# KiCad board Entrex Trapezoid Processor Board v37.kicad_pcb (continued)
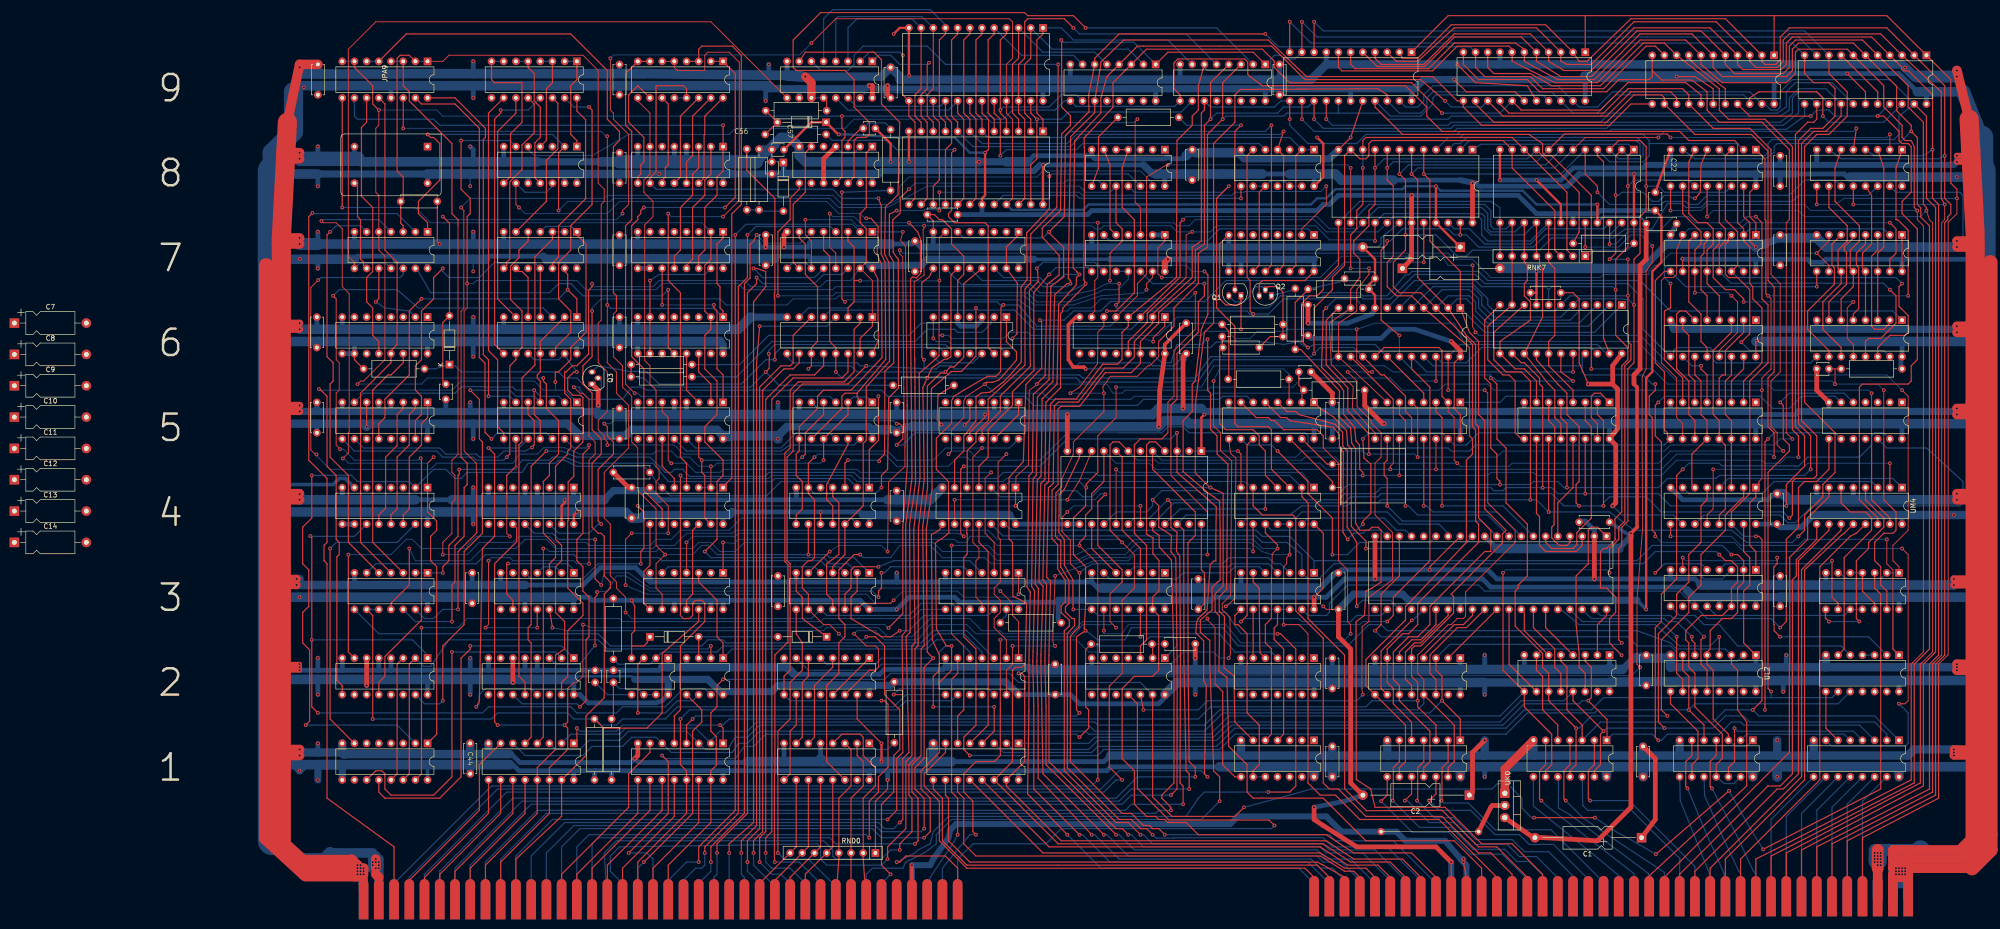
[diagram p0: board, top side]
## Nets (continued)
/UE5_8: UE5.8
/UF4_6: UF4.6
/UF4_23: UF4.23
/UF7_4: UF7.4
/UF9_13: UF9.13
/UF9_14: UF9.14
/UH7_3: UH7.3
/UH7_4: UH7.4
/UH7_5: UH7.5
/UH7_6: UH7.6
/UH7_7: UH7.7
/UH7_15: UH7.15
/UH9_13: UH9.13
/UH9_14: UH9.14
/UJ2_15: UJ2.15
/UK2_15: UK2.15
/UK3_16: UK3.16
/UK3_21: UK3.21
/UK3_24: UK3.24
/UL2_13: UL2.13
/UL2_14: UL2.14
/UL2_15: UL2.15
/UL3_10: UL3.10
/UL5_1: UL5.1
/UL5_15: UL5.15
/UL6_1: UL6.1
/XA8_1: XA8.1
D0: UJ5.10 UK3.10
D1: UJ5.6 UK3.9
D2: UJ5.13 UK3.8
D3: UJ5.3 UK3.7
D4: UK3.3 UK5.10
D5: UK3.4 UK5.6
D6: UK3.5 UK5.13
D7: UK3.6 UK5.3
E6_2: R23.2 UE6.2
E6_6: R22.2 UE6.6
E6_9: Q3.3 R21.1 UE6.9
E6_12: UE6.8 UE6.12
E6_13: R19.2 UE6.13
E6_14: R22.1 R23.1 R25.1 UE6.14
J4_1: UH5.14 YJ4.1
J4_2: UH5.15 YJ4.2
J17_5: J17.5 UA7.2
J17_6: J17.6 UC3.1 UF4.9 UJ5.11 UJ6.9 UK9.9 UL9.9
J17_7: J17.7 UB1.7
J17_8: J17.8 UC3.4 UF4.3 UJ5.5 UJ6.11 UK9.11 UL9.11
J17_9: J17.9 UB1.9
J17_10: J17.10 UA3.11 UF4.7 UJ5.14 UJ6.13 UK9.13 UL9.13
J17_11: J17.11 UB1.10
J17_12: J17.12 UF4.5 UJ5.2 UJ6.15 UK9.15 UL9.15
J17_13: J17.13 UB1.11
J17_14: J17.14 UF4.22 UJ9.9 UK5.11 UK6.9 UM9.9
J17_15: J17.15 UB1.12
J17_16: J17.16 UF4.16 UJ9.11 UK5.5 UK6.11 UM9.11
J17_17: J17.17 UB1.13 UD6.1 UD6.15 UD7.15 UD8.1
J17_18: J17.18 UF4.18 UJ9.13 UK5.14 UK6.13 UM9.13
J17_19: J17.19 UB1.14 UB4.11 UD7.1
J17_20: J17.20 UF4.20 UJ9.15 UK5.2 UK6.15 UM9.15
J17_21: J17.21 UB1.15 UF7.13
J17_22: J17.22 RNK7.4 UD7.13 UE2.12 UF6.7 UJ8.17 UK5.4 UK6.16 UK8.17
J17_23: J17.23
J17_24: J17.24 RNK7.5 UD7.9 UD7.11 UF6.13 UJ8.16 UK5.12 UK6.14 UK8.16
J17_25: J17.25
J17_26: J17.26 RNK7.6 UD2.5 UD6.5 UF6.3 UJ8.15 UK5.7 UK6.12 UK8.15
J17_27: J17.27 UC1.7
J17_28: J17.28 RNK7.7 UD2.7 UD6.7 UF6.5 UJ8.14 UK5.9 UK6.10 UK8.14
J17_29: J17.29 UC1.9
J17_30: J17.30 RNK7.8 UD2.9 UD6.9 UE7.9 UJ5.4 UJ6.16 UJ8.13 UK8.13
J17_31: J17.31 UC1.10
J17_32: J17.32 RNK7.3 UD6.11 UD7.7 UE7.13 UJ5.12 UJ6.14 UJ8.11 UK8.11
J17_33: J17.33 UC1.11
J17_34: J17.34 RNK7.2 UD6.13 UD7.5 UE7.11 UJ5.7 UJ6.12 UJ8.10 UK8.10
J17_35: J17.35 UC1.12
J17_36: J17.36 R13.1 UD6.3 UD7.3 UE7.7 UJ5.9 UJ6.10 UJ8.9 UK8.9
J17_37: J17.37 UC1.13 UE2.9
J17_38: J17.38 UC2B1.5
J17_39: J17.39 UC1.14
J17_40: J17.40 R17.1 UF2.1
J17_41: J17.41 UC1.15 UF2.13 UM3.3
J17_42: J17.42 UD7.2
J17_43: J17.43
J17_44: J17.44 UD7.4
J17_45: J17.45
J17_46: J17.46 UD7.6
J17_47: J17.47
J17_48: J17.48 UD7.14
J17_49: J17.49
J17_50: J17.50 UD7.12
J17_51: J17.51
J17_52: J17.52 UD6.4
J17_53: J17.53 RND0.8 UD1.10
J17_54: J17.54 UD6.6
J17_55: J17.55 RND0.7 UD1.11
J17_56: J17.56 UD6.10
J17_57: J17.57 RND0.6 UD1.12
J17_58: J17.58 UD6.12
J17_59: J17.59 RND0.5 UD1.13
J17_60: J17.60 UD6.14
J17_61: J17.61
J17_62: J17.62 UD6.2
J17_63: J17.63 RND0.4 UD1.3
J17_64: J17.64 UD3.8
J17_65: J17.65 RND0.3 UD1.2
J17_66: J17.66
J17_67: J17.67 RND0.2 UD1.4
J17_68: J17.68 UA7.1 UB8.2 UF8.10
J17_69: J17.69
J17_70: J17.70 UD3.9 UD4.6 UF8.9
J17_71: J17.71
J17_72: J17.72
J17_75: J17.75
J17_76: J17.76 UE2.6
J17_77: J17.77
J17_78: J17.78 R3.2 UH5.3
J17_79: J17.79 UF3.8 UF4.11
J17_80: J17.80 UF2.11
J18_1: J18.1 UE1.7
J18_2: J18.2 UE7.6 UF9.6 UK9.10 UL9.10
J18_3: J18.3 UE1.9
J18_4: J18.4 UE7.12 UF9.11 UK9.12 UL9.12
J18_5: J18.5 UE1.10
J18_6: J18.6 UE7.14 UF9.4 UK9.14 UL9.14
J18_7: J18.7 UE1.11
J18_8: J18.8 UE7.10 UF9.3 UK9.16 UL9.16
J18_9: J18.9 UE1.12
J18_10: J18.10 UF6.4 UH9.6 UJ9.10 UM9.10
J18_11: J18.11 UE1.13
J18_12: J18.12 UF6.2 UH9.11 UJ9.12 UM9.12
J18_13: J18.13 UE1.14 UJ8.20
J18_14: J18.14 UF6.14 UH9.4 UJ9.14 UM9.14
J18_15: J18.15 UE1.15 UK8.20
J18_16: J18.16 UF6.6 UH9.3 UJ9.16 UM9.16
J18_17: J18.17 UF3.13 UF4.4
J18_18: J18.18 UF4.19 UH3.3
J18_23: J18.23 UE4.3 UJ9.20 UK9.20 UL9.20 UM9.20
J18_24: J18.24
J18_25: J18.25 UB1.4 UH4.11 UH4.12 UJ6.18 UK6.18
J18_26: J18.26
J18_27: J18.27 UC1.5 UH4.6
J18_28: J18.28
J18_29: J18.29 UB1.5 UH4.2
J18_30: J18.30 UJ1.8
J18_31: C51.1 J18.31 R9.1 R10.2
J18_32: J18.32 UJ1.6
J18_33: J18.33
J18_34: J18.34 UJ1.10
J18_35: J18.35
J18_36: J18.36 UJ1.4
J18_37: J18.37
J18_38: J18.38 UJ1.12
J18_39: J18.39
J18_40: J18.40 UJ1.2
J18_41: J18.41
J18_42: J18.42 UK1.8
J18_43: J18.43
J18_44: J18.44 UK1.6
J18_45: J18.45 UC1.4 UE4.2 UJ6.20 UK6.20 UL2.3
J18_46: J18.46 UK1.10
J18_47: J18.47 UM4.7
J18_48: J18.48 UK1.4
J18_49: J18.49 UM4.9
J18_50: J18.50 UK1.12
J18_51: J18.51 UM4.10
J18_52: J18.52 UK1.2
J18_53: J18.53 UM4.11
J18_54: J18.54 UL1.8
J18_55: J18.55 UM4.12
J18_56: J18.56 UL1.6
J18_57: J18.57 UM4.13
J18_58: J18.58 UL1.10
J18_59: J18.59 UJ9.7 UK9.7 UL8.9 UL9.7 UM9.7
J18_60: J18.60 UL1.4
J18_61: J18.61 UJ9.6 UK9.6 UL8.7 UL9.6 UM9.6
J18_62: J18.62 UM1.9
J18_63: J18.63 UJ9.5 UK9.5 UL8.12 UL9.5 UM9.5
J18_64: J18.64 UM1.10
J18_65: J18.65 UJ9.21 UK9.21 UL8.4 UL9.21 UM9.21
J18_66: J18.66 UM1.11
J18_67: J18.67 UJ9.4 UK9.4 UL9.4 UM8.4 UM9.4
J18_68: J18.68 UM1.12
J18_69: J18.69 UJ9.3 UK9.3 UL9.3 UM8.12 UM9.3
J18_70: J18.70 UM1.13
J18_71: J18.71 UJ9.2 UK9.2 UL9.2 UM8.7 UM9.2
J18_72: J18.72 UM1.14
J18_73: J18.73 UJ9.1 UK9.1 UL9.1 UM8.9 UM9.1
J18_74: J18.74 UM1.15
JPA9_1: C64.1 JPA9.1 JPA9.2 UA7.3 UE3.11 UE5.14
JPA9_4: JPA9.3 JPA9.4 UD4.13
JPA9_5: JPA9.5 JPA9.6 UC3.9 UD3.1 UD4.9
JPA9_7: JPA9.7 JPA9.8 UA7.5 UB3.3 UD8.11 UF9.9 UH9.9 UL5.2 UL7.2 UM7.2
JPA9_9: JPA9.9 UC6.2 UC7.2 UD3.2 UE3.12
JPA9_10: JPA9.10 UC7.14 UC8.1
JPA9_11: JPA9.11 UA6.12
JPA9_12: JPA9.12 UA3.4 UA6.13
JPA9_14: JPA9.14 UC6.1 UC7.1 UD3.10 UE3.9
JPA9_15: JPA9.15 UB5.12
JPA9_16: JPA9.16 UB5.6
JPB9_1: JPB9.1 JPB9.2 UB8.1
JPB9_3: JPB9.3 JPB9.4 UB8.4
JPB9_6: JPB9.5 JPB9.6 UB8.11
JPB9_8: JPB9.7 JPB9.8 UB8.8
JPB9_9: JPB9.9
JPB9_10: JPB9.10 UB5.8
JPB9_11: JPB9.11 UB6.6
JPB9_12: JPB9.12 UB7.8
JPB9_13: JPB9.13 UB6.8
JPB9_14: JPB9.14 UB7.6
JPB9_15: JPB9.15 UB6.12
JPB9_16: JPB9.16 UB7.12
JPC9_1: JPC9.1 JPC9.2 UC4.9
JPC9_3: JPC9.3 JPC9.4 UC4.1
JPC9_5: JPC9.5 JPC9.6 UC4.4
JPC9_8: JPC9.7 JPC9.8 UD5.4
JPC9_9: JPC9.9 UC8.7 UD3.13 UE3.1
JPC9_10: JPC9.10 UC8.9
JPC9_11: JPC9.11 UC8.11
JPC9_13: JPC9.12 JPC9.13 UC8.10 UD5.2 UD5.9
JPC9_14: JPC9.14 UC8.12
JPC9_15: JPC9.15 UC8.13
JPC9_16: JPC9.16 UC8.14
Q1_2: Q1.2 R14.2
Q1_3: C6.2 Q1.3 Q2.2 R7.2 R8.2
Q2_1: Q2.1 R10.1
Q3_2: CR5.1 Q3.2 R24.2
UA1_2: C63.2 UA1.2 UA4.2 UC4.6 UD3.11 UD4.4
UA1_11: UA1.11 UB2.2
UA1_12: UA1.12 UB2.1
UA1_13: UA1.13 UA2.3
UA1_14: UA1.14 UA2.2 UC2B1.2
UA1_15: UA1.15 UE3.8
UA2_1: UA2.1 UA4.11 UC2B1.7
UA2_10: UA2.10
UA2_11: UA2.11
UA2_12: UA2.12 UB6.3
UA2_13: UA2.13
UA2_14: UA2.14
UA3_5: UA3.5 UA7.6
UA3_6: UA3.6 UD3.3
UA3_12: UA3.12 UF8.13
UA4_10: UA4.9 UA4.10
UA4_15: UA1.7 UA4.15
UA5_1: UA4.14 UA5.1
UA5_2: UA4.13 UA5.2
UA5_3: UA4.12 UA5.3
UA5_11: UA5.11
UA5_13: UA5.13
UA5_14: UA5.14
UA6_2: UA6.2 UA7.10
UA6_14: UA3.3 UA6.14
UA7_4: UA1.1 UA4.1 UA7.4
UA7_11: UA7.8 UA7.11 UD9.9
UA7_12: UA7.12 UC4.2 UC4.3 UD5.1 UD5.3 UD5.10
UA7_13: UA7.13 UC6.12
UB2_3: UB2.3 UE3.5
UB2_7: UB2.7
UB2_9: UB2.9
UB2_10: UB2.10
UB2_11: UB2.11 UB5.13
UB2_14: UB2.14
UB3_4: UB3.2 UB3.4
UB3_9: UB3.1 UB3.9
UB4_2: UB4.2
UB4_3: UB4.3
UB4_6: UB4.6
UB4_7: UB4.7
UB4_13: UB4.13
UB5_3: UB5.3
UB5_5: UA5.10 UB5.5
UB5_9: UA2.7 UB5.9
UB5_10: UB2.13 UB5.10
UB5_11: UA5.7 UB5.2 UB5.11
UB6_1: UA5.12 UB6.1 UB7.13
UB6_5: UB6.5 UB7.9
UB6_9: UA5.9 UB6.9 UB7.5
UB6_11: UA2.15 UB5.4 UB6.2 UB6.11
UB6_13: UB2.15 UB6.10 UB6.13
UB7_1: UA2.9 UB5.1 UB7.1 UB7.4
UB7_3: UB2.12 UB7.2 UB7.3
UB7_10: UB7.10
UB7_11: UA5.15 UB6.4 UB7.11
UB8_6: UA3.13 UB8.6 UM6.1
UB8_9: UB8.9 UB8.12 UD4.8 UD5.8
UC2A_3: UC2A1.3 UC2B1.6
UC2A_5: C4.2 UC2A1.5
UC2A_7: C5.2 R6.1 UC2A1.6 UC2A1.7
UC2B_3: CR2.2 CR3.2 UC2B1.3
UC3_2: UC3.2
UC3_3: UC2B1.1 UC3.3 UE2.5
UC3_6: UC3.6 UD3.5
UC3_8: UC3.8 UC4.8
UC3_11: UC3.11 UC4.12
UC5_1: UC5.1 UC7.11
UC5_6: UC5.6 UE3.3
UC5_13: UC5.13 UD5.11
UC5_14: UC4.13 UC5.14 UD5.5
UC6_13: UC5.3 UC6.13
UC6_14: UC5.2 UC6.14
UC7_12: UC7.12 UC8.3
UC7_15: UC6.7 UC6.10 UC7.15
UC8_2: UC7.13 UC8.2
UC8_6: UC8.6
UC8_15: UC8.15
UD1_1: R12.2 UD1.1
UD1_6: UD1.6 UD2.4
UD1_7: UD1.7 UD2.6
UD1_9: UD1.9 UD2.10
UD1_15: UD1.15
UD2_2: UD2.2
UD2_3: UD2.3
UD2_11: UD2.11
UD2_12: UD2.12
UD2_13: UD2.1 UD2.13
UD2_14: UD2.14 UE4.9 UF4.10
UD3_12: UD3.12 UE3.4
UD4_1: UD4.1 UD5.6
UD4_2: UA3.1 UA3.2 UD4.2
UD4_11: UD4.11 UD5.12
UD4_12: UD3.4 UD4.12 UD9.7
UD5_13: UC5.12 UD5.13
UD7_10: UD7.10 UD8.6
UD8_3: C65.1 R28.1 UD8.3
UD8_5: UD8.5
UD9_1: UD9.1 UE8.14 UE9.14
UD9_2: UD9.2 UE8.13 UE9.13
UD9_3: UD9.3 UE8.11 UE9.11
UD9_4: UD9.4 UE8.10 UE9.10
UD9_5: UD9.5 UE8.9 UE9.9
UD9_13: UD9.13 UE8.17 UE9.17
UD9_15: UD9.15 UE8.15 UE9.15
UE1_4: UE1.4 UE4.8
UE1_5: UE1.5 UE4.11
UE2_1: UB4.12 UE2.1
UE2_2: C3.1 R2.1 UE2.2 UE6.1 UH5.2
UE2_3: UA3.8 UE2.3
UE2_4: R5.2 UC2A1.2 UE2.4
UE2_8: R4.1 UA3.9 UA3.10 UC3.12 UE2.8
UE2_10: UE2.10
UE2_11: UE2.11
UE3_13: R27.1 UE3.13
UE4_1: UB3.5 UE4.1 UF9.1 UH9.1 UL3.1 UL4.1 UL8.1 UM8.1
UE4_4: UE4.4 UF7.8
UE4_5: UD9.6 UE4.5
UE4_6: UE4.6 UF8.12
UE5_1: UE5.1 UE5.12
UE5_9: UB4.14 UE5.9
UE5_11: UE5.11 UF7.9
UE7_2: UE7.2
UE7_3: UE7.3
UE7_4: UE7.4
UE7_5: UE7.5
UE8_20: UE8.20 UH8.8
UE9_1: UE8.1 UE9.1 UH9.7
UE9_4: UE8.4 UE9.4 UF9.10
UE9_6: UE8.6 UE9.6 UH7.12
UE9_7: UE8.7 UE9.7 UH7.13 UH8.4
UE9_16: UD9.14 UE8.16 UE9.16
UE9_20: UE9.20 UH8.5
UE9_22: UE8.22 UE9.22 UH9.5
UE9_23: UE8.23 UE9.23 UH9.10
UF2_2: C55.1 R17.2 UF2.2
UF2_3: R28.2 UF2.3
UF2_4: UF2.4
UF2_5: UF2.5
UF2_6: UF2.6
UF2_8: UF2.8
UF2_9: UF2.9
UF2_10: UF2.10
UF3_1: UF3.1
UF3_2: UF3.2
UF3_3: UF3.3 UF4.8
UF3_5: UF3.5 UF4.15
UF3_6: UF3.6 UH3.5
UF3_9: UF3.9 UH5.7
UF3_10: UF3.10
UF3_11: UF3.11
UF3_12: UF3.12 UH2.4
UF4_17: UF4.17 UH4.1
UF6_1: UE7.1 UE7.15 UF6.1
UF6_9: UF6.9
UF6_10: UF6.10
UF6_11: UF6.11
UF6_12: UF6.12
UF7_3: UB8.5 UF7.3
UF7_5: UF7.5 UF8.6
UF7_10: UD8.8 UF7.10 UF7.11
UF7_12: UE2.13 UF7.12
UF8_1: UF8.1
UF8_2: UF8.2
UF8_3: UF8.3
UF8_8: R14.1 UF8.8
UF8_11: UF8.11 UH4.3
UF9_2: UE8.2 UE9.2 UF9.2
UF9_5: UE8.3 UE9.3 UF9.5
UF9_7: UE8.5 UE9.5 UF9.7
UF9_12: UF9.12
UF9_15: UF9.15
UH1_1: UH1.1
UH1_2: UH1.2
UH1_3: UH1.3
UH1_4: UH1.4 UH3.10 UH3.11 UH3.12
UH1_5: UE1.6 UH1.5 UH4.10 UJ5.1 UJ5.15 UK5.1 UK5.15
UH1_6: UF6.15 UH1.6
UH1_8: UB3.12 UH1.8
UH1_9: UH1.9 UH1.10 UH3.8
UH1_11: UH1.11
UH1_12: UH1.12
UH1_13: UH1.13
UH2_1: UH2.1
UH2_2: UH2.2
UH2_3: UH2.3
UH2_8: UH2.8
UH2_9: UH2.9
UH2_10: UH2.10
UH2_11: UH2.11
UH2_12: UH2.12
UH2_13: UH2.13
UH3_6: UH2.5 UH3.6
UH3_9: UH2.6 UH3.9
UH4_2: UE4.13 UH3.1 UL1.1 UL1.3 UL2.5 UL3.2
UH4_4: C6.1 R7.1 UH4.4
UH4_5: UF4.21 UH4.5
UH4_9: UD1.14 UH4.9
UH4_13: UH4.13 UK3.17
UH5_1: UH5.1 UK3.12
UH5_4: UH5.4 UK3.23
UH5_5: UH5.5 UK3.19
UH5_6: UB3.11 UH5.6
UH5_11: UH5.11 UK3.22
UH5_12: UH5.12
UH5_13: UH5.13
UH7_1: UF7.6 UH7.1
UH7_2: UD4.3 UH7.2
UH8_1: UE8.8 UE9.8 UH7.14 UH8.1 UH8.2
UH8_12: UH7.11 UH8.9 UH8.10 UH8.12 UH8.13
UH9_2: UD8.12 UH9.2
UH9_12: UH9.12
UH9_15: UH9.15
UJ1_9: UJ1.9 UJ2.9 UJ6.4 UJ8.8 UK6.4 UK8.8 UM8.2
UJ1_11: UJ1.11 UJ2.11 UJ6.2 UJ8.6 UK6.2 UK8.6 UM8.5
UJ1_13: UB1.2 UC1.2 UJ1.13 UJ2.13 UJ6.21 UJ8.4 UK6.21 UK8.4 UL8.2
UJ2_2: UJ2.2 UK3.31
UJ2_3: UB1.3 UC1.3 UJ1.1 UJ2.3 UJ6.5 UJ8.3 UK6.5 UK8.3 UL8.14
UJ2_4: UJ2.4 UK3.29
UJ2_10: UJ2.10 UK3.25
UJ2_12: UJ2.12 UK3.27
UJ2_14: UJ2.14 UK3.30
UJ6_1: UB1.1 UC1.1 UJ1.3 UJ2.5 UJ6.1 UJ8.5 UK6.1 UK8.5 UM8.11
UJ6_3: UJ1.5 UJ2.7 UJ6.3 UJ8.7 UK6.3 UK8.7 UM8.14
UJ6_7: UJ6.7 UJ8.1 UK1.5 UK2.7 UK6.7 UK8.1 UL8.11
UK1_9: UB1.6 UC1.6 UJ6.6 UJ8.2 UK1.9 UK2.9 UK6.6 UK8.2 UL8.5
UK1_11: UJ6.17 UJ8.23 UK1.11 UK2.11 UK6.17 UK8.23 UL4.2
UK1_13: UE1.1 UK1.13 UK2.13 UL4.5 UM1.2
UK2_2: UK2.2 UK3.40
UK2_3: UE1.2 UK1.1 UK2.3 UM1.3 UM5.13
UK2_4: UK2.4 UK3.35
UK2_5: UJ8.22 UK1.3 UK2.5 UK8.22 UL4.14 UM1.1
UK2_6: UK2.6 UK3.33
UK2_10: UK2.10 UK3.32
UK2_12: UK2.12 UK3.34
UK2_14: UK2.14 UK3.1
UK3_15: UH5.10 UK3.15
UK3_18: UK3.18 UL2.2
UK3_26: UJ2.6 UK3.26
UK5_15: UF3.4 UH3.4
UK6_19: UJ6.19 UK6.19 UM1.7
UL1_2: UL1.2 UM1.5
UL1_9: UE1.3 UL1.9 UL2.9 UM2.9 UM5.5
UL1_11: UE4.12 UH3.2 UL1.11 UL1.13 UL2.11 UL3.14
UL1_12: UL1.12 UM1.4
UL2_4: UK3.36 UL2.4
UL2_6: UK3.38 UL2.6
UL2_7: UE4.10 UL1.5 UL2.7 UM2.10 UM5.9
UL2_10: UK3.37 UL2.10
UL2_12: UK3.39 UL2.12
UL3_5: UL3.5 UM5.6
UL3_6: UL3.3 UL3.6
UL3_7: UL3.7 UM2.2
UL3_11: UH3.13 UL3.11 UM5.8
UL3_12: UL3.12 UM3.10 UM3.11
UL4_6: UL4.6 UL5.12 UL6.11
UL4_7: UL4.7 UM4.3
UL4_11: UL4.11 UM5.12
UL4_12: UL4.12 UM4.2
UL4_13: UL4.13 UL5.13 UL6.3
UL5_5: UL5.5 UL6.10
UL5_10: UL5.10 UL7.7 UM7.15
UL5_11: UL5.11 UL6.6
UL5_14: UL4.3 UL5.14 UL6.14
UL6_2: UL5.4 UL6.2
UL6_4: UL6.4 UL7.12 UL8.6
UL6_7: UL5.6 UL6.7
UL6_12: UL6.12 UL7.6
UL6_13: UL6.13 UL7.11 UL8.10
UL6_15: UL5.3 UL6.15
UL7_5: UL6.5 UL7.5
UL7_9: UL5.9 UL7.9 UM7.9
UL7_15: UL5.7 UL7.15
UM1_6: UM1.6 UM2.8
UM2_1: UL4.9 UM2.1
UM2_4: UM2.3 UM2.4
UM2_5: UL3.9 UM2.5
UM2_6: UM2.6 UM4.6
UM2_11: UM2.11
UM2_12: UM2.12
UM2_13: UM2.13
UM3_1: UF7.1 UF7.2 UM3.1 UM3.2 UM3.6
UM3_5: UM3.4 UM3.5 UM3.12
UM3_8: UM3.8 UM4.4
UM3_9: UL3.4 UM3.9
UM3_13: C59.2 R26.1 UE6.7 UF2.12 UM3.13
UM4_1: UL4.4 UM4.1
UM4_14: UL9.19 UM4.14 UM9.19
UM4_15: UJ9.19 UK9.19 UM4.15
UM5_1: UM5.1
UM5_2: UM5.2
UM5_3: UM5.3
UM5_4: UM5.4
UM5_10: UM5.10
UM5_11: UM5.11
UM6_2: UM6.2 UM7.3
UM6_7: UM6.7 UM7.5
UM6_9: UF8.4 UF8.5 UH8.6 UL6.9 UM6.9
UM6_10: UM6.10 UM7.6
UM6_11: UM6.11 UM7.11 UM8.10
UM6_12: UL7.4 UM6.12
UM6_13: UL7.13 UL8.13 UM6.13
UM6_14: UL7.14 UL8.3 UM6.14
UM6_15: UL7.3 UM6.15
UM7_4: UM6.5 UM7.4
UM7_10: UD3.6 UM7.7 UM7.10
UM8_3: UM6.3 UM7.14 UM8.3
UM8_6: UM6.6 UM7.12 UM8.6
UM8_13: UM6.4 UM7.13 UM8.13
XA8_8: UA7.9 XA8.8

Pads without a net: C7 1 2; C8 1 2; C9 1 2; C10 1 2; C11 1 2; C12 1 2; C13 1 2; C14 1 2; UE5 4 6 7 13; UE6 4 11; UH8 3 11

## Via types
v1: diameter 0.8, hole 0.4, Top to Bottom, 720 vias

## Routing (per net, layer and track width the routed paths; a pad name or vN(x,y) marks a point on that pad's centre or on a via; arc(x,y) is an arc through that point)
-5V: length 585.7
  Top w0.2: v1(124.22,180.66) 124.22,169.86 124.85,169.23 124.85,167.96 128.03,164.78 128.03,150.18 126.76,148.91 v1(126.76,148.27) ; v1(166.13,183.83) 171.21,188.91 207.41,188.91 208.04,188.28 208.04,180.66 206.77,179.39 UE9.21 206.77,169.23 208.04,167.96 208.04,151.45 UE8.21
  Top w0.25: C58.1 89.29,113.35 89.29,125.54 CR5.2 90.69,146.4 90.53,146.4 v1(89.29,147.64)
  Top w0.5: C15.1 UJ8.21 v1(296.31,153.99) ; v1(329.96,150.18) UK8.21
  Top w0.75: v1(336.94,81.6) 338.21,82.87 338.21,112.08 337.58,112.71
  Top w1: C26.1 340.12,138.75 338.85,137.48 338.85,115.89 337.58,114.62 337.58,112.71 ; UK0.3 316.62,18.1 316.75,18.22 329.96,17.46 336.94,24.45 v1(336.94,81.6)
  Bottom w0.2: v1(124.22,180.66) 124.92,181.36 163.66,181.36 v1(166.13,183.83) ; v1(126.76,148.27) 125.49,147 89.93,147 v1(89.29,147.64)
  Bottom w0.25: 340.12,146.37 C26.1
  Bottom w0.5: UK8.21 331.23,147.64 338.85,147.64 340.12,146.37 ; v1(329.96,150.18) 317.26,150.18 314.4,153.03 297.26,153.03 v1(296.31,153.99) 289.95,153.99 289.32,153.35 275.35,153.35 273.44,151.45 271.54,151.45 270.27,150.18 223.92,150.18 222.79,149.05 207.89,149.05 UE8.21
  Bottom w0.75: 336.94,80.96 C35.2
  Bottom w1: 306.46,80.96 309,78.42
  Bottom w1.25: 334.4,78.42 336.94,80.96
  Bottom w2: 309,78.42 334.4,78.42
-12v: length 164.9
  Top w0.25: 302.02,13.02 302.65,9.84 J18.21
  Top w0.75: J17.73 v1(187.09,12.38)
  Top w1: UK0.2 308.12,24.83 307.74,24.45 J1.2
  Bottom w0.25: 301.43,13.6 301.43,13.7
  Bottom w1.25: 301.43,13.7 298.21,17.46 289.95,17.46 288.05,19.37 J1.1 276.62,19.37 273.44,22.54 255.03,22.54 253.44,20.95 196.29,20.95 195.09,19.75 194.71,18.1 191.53,13.65 190.9,12.38 v1(187.09,12.38) J17.73 ; 301.43,13.6 302.65,12.38 J18.21 ; 302.02,13.02 v1(302.02,13.65)
GND: length 4600.1
  Top w0.25: UD9.12 169.31,171.77 R18.2 ; v1(255.03,98.74) 255.67,98.11 UH4.7 ; C64.2 88.15,142.43 v1(88.66,141.92) ; UH7.8 251.22,141.92 251.22,130.49 252.49,129.22 255.03,129.22 255.67,129.86 Q1.1 v1(255.67,124.14) ; v1(180.74,37.78) 175.66,42.86 UD2.15 ; UK9.18 315.36,174.94 304.56,175.58 v1(300.75,179.39) ; 162.96,73.34 162.96,69.53 164.22,68.26 164.22,63.82 CR2.1 ; UE8.18 200.42,151.45 200.42,159.07 ; UL9.18 356.63,174.31 350.92,178.75 349.01,180.66 UL9.8 ; UL2.1 360.44,58.74 UL3.15 360.44,69.53 361.71,70.8 361.71,76.52 360.44,77.79 UL4.15 ; UK3.13 295.04,74.61 v1(295.04,73.98) ; UL8.15 360.44,147.64 361.71,146.37 361.71,146.37 361.71,142.56 v1(362.98,141.29) ; UM9.18 388.38,173.67 UM9.8 ; v1(59.45,89.78) 59.38,89.85 ; v1(202.32,106.36) 202.32,105.82 199.15,102.65 UE5.10 ; UE6.5 196.61,134.3 197.88,135.57 197.88,139.38 195.34,141.92 195.34,145.1 193.44,147 192.8,147 191.75,148.06 C47.1 191.53,146.79 UE7.8 ; UE9.18 199.15,169.23 200.42,167.96 200.42,159.07 ; 200.42,159.07 v1(201.06,159.07) ; UJ9.18 v1(278.52,164.15) UJ8.12 ; v1(186.53,177.05) 186.45,177.12 ; 72.15,10.48 72.78,9.84 72.78,4.76
  Top w0.5: UF4.1 247.41,105.73 v1(248.05,106.36) ; v1(114.69,88.58) 114.69,87.95 114.06,87.31 UB4.15 ; 317.26,131.76 C61.1 ; 317.26,131.76 v1(317.26,136.21) ; 317.26,131.76 UK6.8 ; UE8.12 v1(186.45,159.07) ; 186.45,177.12 UE9.12 184.54,187.01 v1(183.28,185.74) ; C15.2 283.61,138.75 C51.2 282.33,133.45 R9.2 283.61,131.25 UJ6.8 ; v1(182.64,159.07) 182.64,162.88 C65.2 ; UL8.8 C22.1 ; v1(309.64,155.26) UK8.12 ; v1(180.74,33.97) v1(180.74,37.78) ; UK8.18 322.34,150.18 v1(317.26,155.26)
  Top w0.75: UF6.8 221.27,126.68 219.69,125.1 219.69,117.8 220.65,116.33 221.08,116.25 222.92,116.25 v1(223.28,115.89)
  Top w1: v1(329.32,72.07) UK3.2 ; C33.1 128.03,91.12 C63.1 ; v1(59.45,54.29) 55.64,54.29 ; UC1.8 129.94,35.24 v1(129.3,34.61) ; C46.1 342.02,34.61 342.02,21.91 C1.1 ; UM5.7 375.68,111.44 C59.1 ; v1(59.45,53.02) 55.64,53.02 ; v1(121.68,108.27) 121.68,111.44 Q3.1 ; 408.06,124.78 408.7,125.41 ; C2.1 303.93,27.62 303.93,35.88 v1(306.46,38.42) ; C3.2 274.71,110.81 C48.1 ; 407.43,141.29 408.7,142.56 ; v1(160.41,141.29) 160.41,143.83 UD7.8 ; C52.2 243.6,118.43 v1(243.6,107.63) ; v1(219.47,106.36) UF4.12 ; v1(59.45,35.24) v1(59.45,36.51) ; v1(156.6,141.29) C50.1 ; v1(59.45,53.66) 55.64,53.66 ; v1(269.63,125.41) C60.1 ; 408.06,123.51 408.7,122.87 ; v1(246.14,55.56) C55.2
  Top w1.25: 407.76,161.61 406.49,160.34 v1(404.89,160.34) ; v1(404.89,159.07) 407.9,159.07 ; 408.06,88.58 408.7,89.22 408.06,89.85 ; 407.43,107.63 408.7,108.9
  Top w1.5: v1(59.45,124.14) 56.28,124.14 55.64,124.78 56.28,125.41 v1(59.45,125.41) ; v1(404.25,72.07) 408.06,72.07 408.7,71.44 408.06,70.8 v1(404.25,70.8) ; v1(59.45,107) 56.91,107 55.64,108.27 v1(59.45,108.27)
  Top w1.75: v1(404.89,53.66) 408.7,53.66 ; v1(58.81,72.07) 55.64,72.07 ; UD9.11 166.13,175.58 v1(164.86,176.85) ; 408.7,35.88 408.06,36.51 v1(404.25,36.51) ; 408.7,35.88 v1(404.25,35.88) ; 408.7,35.88 408.06,35.24 v1(404.25,35.24) ; UK1.7 310.66,32.45 UK0.1 ; 72.78,4.76 v1(72.78,10.48) ; v1(58.81,70.8) 55.64,70.8
  Top w2: 394.73,15.56 406.16,15.56 ; 394.73,15.56 391.56,15.56 391.56,11.75 ; 394.73,15.56 394.73,11.75 ; 391.56,9.84 394.73,9.84 ; 391.56,13.65 407.43,13.65 409.97,16.19 ; v1(59.45,143.19) 55.64,143.19 ; 70.25,13.65 v1(71.52,12.38) v1(72.15,11.75) v1(72.78,11.75) v1(72.78,11.11) ; v1(72.78,10.48) v1(72.15,11.11) v1(71.52,11.11) v1(71.52,11.75) 70.25,13.02 ; 394.73,11.75 408.06,11.75 ; 394.73,11.75 v1(394.1,11.11) 394.73,10.48 394.73,5.72 ; 394.73,11.75 v1(394.1,11.75) v1(393.46,11.75) v1(393.46,11.11) v1(392.82,11.11) v1(392.82,11.75) v1(392.19,11.75) 391.56,11.75 ; v1(59.45,35.24) 55.64,35.24 ; 391.56,11.75 v1(392.19,11.11) 391.56,10.48 391.56,5.72 ; v1(404.89,54.29) 408.06,54.29 408.7,53.66 408.06,53.02 v1(404.89,53.02) ; 407.43,167.96 v1(404.89,178.12) ; v1(404.89,124.78) 408.06,124.78 ; v1(404.89,106.36) 408.7,106.36 ; v1(404.89,89.85) 408.06,89.85 ; v1(59.45,159.7) 57.85,159.7 56.58,160.97 v1(59.45,160.97) ; v1(404.89,123.51) 408.06,123.51 ; v1(59.45,36.51) 55.64,36.51 ; v1(404.89,88.58) 408.06,88.58 ; v1(404.89,107.63) 407.43,107.63 ; 59.38,89.85 55.64,89.85 ; v1(404.89,142.56) 408.7,142.56 ; v1(404.89,141.29) 407.43,141.29 ; v1(59.45,141.92) 55.64,141.92 ; C17.1 59.45,179.39 56.91,167.32 ; v1(59.45,88.58) 55.64,88.58
  Top w3: 406.16,15.56 408.7,18.1 ; 70.88,10.48 v1(71.52,10.48) 60.72,10.48 ; 408.06,11.75 411.88,15.56 411.88,138.11 ; 54.45,16.27 52.47,18.1 52.47,137.48 ; 54.45,16.27 55.64,17.46 ; 54.45,16.27 60.4,10.79 ; 70.25,13.02 60.08,13.02 52.47,20
  Top w4: 408.7,143.83 407.76,161.61 407.43,167.96 ; 56.91,167.32 56.58,160.97 55.64,143.19 55.64,17.46 ; 408.7,18.1 408.7,35.88 ; 408.7,72.71 408.7,89.22 ; 408.7,90.49 408.7,142.56 ; 408.7,54.93 408.7,71.44 ; 408.7,37.15 408.7,53.66
  Bottom w0.25: 309.64,180.02 309,179.39 ; 255.67,160.34 255.67,160.48 254.88,160.97 ; 211.39,53.66 211.94,53.11 ; 63.05,124.36 63.26,124.14 ; 371.16,106.36 371.2,106.33 ; UD9.11 UD9.12 ; v1(223.28,115.89) 242.96,115.89 244.24,117.79 C52.2 ; 274.69,72.71 274.71,72.71 ; 245.5,161.61 246.14,160.97 244.87,160.97 ; UF4.2 UF4.1 v1(255.03,98.74) ; 301.38,53.83 300.67,53.11 ; 188.99,141.29 189.62,141.29 ; C15.2 284.24,141.29 284.88,141.92 284.88,143.19 285.43,143.68 UJ8.18 ; 122.31,159.07 121.68,159.07 ; 271.54,70.17 272.15,70.17 ; C36.1 366.79,89.85 ; UM7.8 376.31,143.19 ; 220.11,176.85 219.47,176.21 ; 103.6,35.54 103.26,35.54 ; 72.15,159.07 71.52,159.7 ; UM8.15 392.19,152.72 405.52,152.72 406.16,152.08 406.16,142.56 405.52,141.92 ; 263.7,176.63 263.29,176.21 ; 378.22,107.63 378.86,107 ; 165.5,141.29 166.13,141.92 ; 68.34,107.63 68.97,107 ; 187.09,141.92 C25.1 ; 345.19,107.62 344.56,107 ; 136.28,53.67 136.28,53.66 ; 396.63,176.85 396,176.85 ; 95.43,71.02 95.65,70.8 ; 275.35,73.34 C32.1
  Bottom w0.5: 154.7,159.07 155.21,159.58 R20.1 155.72,162.24 159.15,162.24 ; 244.24,160.34 243.6,159.7 ; 240.07,159.92 239.86,159.7 ; 240.99,159.7 240.78,159.92 ; 159.15,162.24 159.15,163.51 159.78,164.15 ; 159.15,162.24 158.51,161.61 ; C56.1 157.88,159.07
  Bottom w1: UK9.8 309.64,180.02 ; 362.98,53.66 UL2.1 ; C32.1 276.62,73.98 v1(295.04,73.98) 307.1,73.98 309,72.07 v1(329.32,72.07) 345.2,72.07 ; v1(59.45,54.29) v1(59.45,53.66) v1(59.45,53.02) 63.26,53.02 ; C23.1 368.06,158.43 ; 345.2,158.43 UL8.8 ; C34.1 183.91,88.58 ; 226.45,70.17 225.82,70.17 224.55,71.44 ; 182.64,141.92 187.09,141.92 ; 95.65,107 95.01,107.63 v1(95.01,108.9) ; C40.1 368.06,70.8 ; 228.36,35.24 227.09,33.97 195.34,33.97 ; UE5.2 206.77,106.36 ; 239.86,159.7 225.19,159.7 224.55,160.34 ; UC2A1.1 136.28,53.67 ; 95.65,141.92 v1(95.65,144.46) ; 95.65,124.14 v1(95.65,126.68) ; UB6.7 102,124.14 ; 159.15,71.44 132.47,71.44 ; 159.15,71.44 C38.1 ; 159.15,71.44 162.96,71.44 ; 78.5,53.02 UA2.4 ; 78.5,53.02 75.96,53.02 ; 78.5,53.02 95.01,53.02 ; v1(95.01,162.24) 95.65,161.61 95.65,159.07 ; 108.98,53.02 C4.1 C5.1 134.38,53.02 135.01,53.66 ; 108.98,53.02 106.44,53.02 ; 108.98,53.02 UB2.4 ; 63.26,178.02 C17.1 ; 344.56,55.56 345.2,54.93 345.2,53.66 ; v1(309.64,155.26) 322.34,155.26 324.88,157.8 339.49,157.8 340.12,158.43 ; 68.34,53.02 UA2.8 ; 68.34,53.02 63.26,53.02 ; 68.34,53.02 75.96,53.02 ; UB3.7 101.36,70.8 ; 345.2,72.07 350.28,72.07 351.55,70.8 ; 345.2,72.07 UL3.8 ; C42.1 274.71,53.11 ; 121.68,107.63 v1(121.68,108.27) 121.68,106.36 121.04,107 ; UH2.7 255.67,53.11 ; 129.3,124.14 129.94,124.78 UC6.8 ; UF3.7 224.55,71.44 ; 224.55,71.44 194.07,71.44 ; UJ2.8 283.61,53.11 ; 75.96,53.02 UA2.5 ; UF9.8 220.11,176.85 ; 211.21,159.07 212.49,160.34 224.55,160.34 ; 106.44,53.02 98.82,53.02 ; 106.44,53.02 UB2.5 ; 98.82,53.02 UB2.8 ; 98.82,53.02 95.01,53.02 ; UM4.8 375.68,88.58 ; UE7.8 191.53,141.29 ; UC7.8 129.94,141.92 ; UA3.7 70.88,70.8 ; 63.26,53.02 v1(63.26,55.56) ; 376.31,143.19 376.31,142.56 ; UM5.7 378.22,107.63 ; 224.55,160.34 UF8.7 ; 106.44,70.8 118.5,70.8 122.12,74.42 129.49,74.42 132.47,71.44 ; 366.79,89.85 365.52,88.58 347.74,88.58 UL4.8 ; 103.6,35.54 105.36,33.78 128.47,33.78 v1(129.3,34.61) 130.13,33.78 152.79,33.78 ; UC8.4 140.09,159.07 ; v1(306.46,56.2) 306.46,53.2 ; 332.5,53.66 332.5,56.14 ; 363.62,107 364.25,106.36 371.16,106.36 ; UE6.5 196.61,125.41 197.25,124.78 200.42,124.78 201.69,126.05 UE6.3 ; 162.96,73.34 162.96,71.44 ; 162.96,71.44 183.91,71.44 ; XA8.7 70.88,159.7 ; C35.1 326.37,84.14 327.42,84.14 329.32,82.23 UK3.2 ; C37.1 95.43,71.02 ; UC5.5 137.56,106.36 ; 154.7,141.92 155.34,141.29 v1(156.6,141.29) v1(160.41,141.29) 165.5,141.29 ; UA5.8 68.34,107.63 ; 314.72,53.2 314.72,55.56 ; UC5.8 129.94,106.36 ; 162.96,88.58 182,88.58 ; 162.96,88.58 134.38,88.58 ; 162.96,88.58 162.96,91.12 ; UA5.4 78.5,107 ; UE5.3 204.23,106.36 ; UM6.8 375.68,124.14 ; v1(59.45,36.51) v1(59.45,35.24) 59.45,35.41 ; 126.12,124.14 C29.1 ; UH5.8 253.12,107 ; 157.24,177.14 v1(157.24,179.39) ; v1(246.14,55.56) 246.14,53.11 ; C28.1 63.05,124.36 ; 83.58,88.58 91.2,88.58 ; UK5.8 314.72,107 ; UM4.5 383.3,88.58 ; 132.47,71.44 UC3.7 ; UL9.8 349.01,179.39 ; UC8.8 129.94,159.07 ; v1(95.65,91.12) 95.65,88.58 ; 183.91,71.44 194.07,71.44 ; 183.91,71.44 v1(183.91,73.34) ; 194.07,71.44 UE3.7 ; 128.03,90.49 C33.1 ; 369.33,53.66 v1(369.33,56.2) ; UL5.8 345.19,107.62 ; 243.6,159.7 240.99,159.7 ; 335.68,53.66 335.21,53.2 ; v1(404.89,124.78) v1(404.89,123.51) ; UD5.7 163.59,106.36 ; UH8.7 255.67,160.34 ; C20.1 126.12,159.07 ; UB4.5 106.44,88.58 ; 63.05,107.42 C49.1 ; UB4.1 116.6,88.58 ; 240.78,159.92 240.07,159.92 ; v1(404.89,141.29) v1(404.89,142.56) ; 168.03,34.61 UD1.5 ; UM9.8 380.76,179.39 ; UM8.8 375.68,158.43 ; 345.2,142.56 UL7.8 345.83,144.88 C26.2 ; C31.1 183.91,106.36 ; 95.01,53.02 v1(95.01,55.56) ; UD9.8 161.05,177.09 ; UC2B1.4 140.09,53.66 ; 273.44,181.93 273.44,179.39 ; 63.26,141.92 v1(63.26,144.46) ; UB4.4 108.98,88.58 ; UB7.7 102,141.92 ; 63.26,35.88 v1(63.26,37.78) ; UH7.8 253.12,141.29 ; 162.32,52.39 162.51,52.2 180.35,52.2 181.37,53.21 193.62,53.21 194.07,53.66 UE2.7 ; C39.1 246.77,70.17 ; UJ2.1 301.38,53.83 ; C58.2 89.93,107 ; C24.1 126.12,141.92 ; UC5.4 140.09,106.36 ; 263.7,179.39 263.7,176.63 ; UA6.8 68.34,124.14 ; 371.2,106.33 371.87,107 ; 160.41,33.97 UD1.8 ; v1(269.63,125.41) 277.89,125.41 282.97,127.32 UJ6.8 ; 340.12,55.56 C43.1 338.21,56.2 337.58,55.56 ; UH3.7 255.67,70.17 ; 211.21,106.36 v1(219.47,106.36) ; 129.3,177.48 126.12,177.48 C18.1 ; C48.1 274.71,107 ; 159.15,106.36 v1(159.15,108.9) ; UA7.7 70.88,141.92 ; UB4.8 98.82,88.58 ; 63.26,159.7 v1(63.26,162.24) ; 95.65,177.46 v1(95.65,180.02) ; UA4.8 68.34,88.58 ; UM3.7 377.58,70.8 ; UB5.7 102,107 ; C41.1 216.93,53.11 ; UD2.8 160.41,54.29 ; UC8.5 137.56,159.07 ; UA5.5 75.96,107 ; UB8.7 102,159.07 ; UF2.7 224.55,53.11 ; UF7.7 224.55,141.29 ; UJ5.8 283.61,107 ; UC4.7 132.47,90.49 ; 242.96,179.39 242.96,176.21 ; C30.1 126.12,106.36 ; v1(59.45,141.92) v1(59.45,143.19)
  Bottom w1.25: v1(404.89,106.36) v1(404.89,107.63) ; v1(404.89,88.58) v1(404.89,89.85) ; 272.15,70.17 274.69,72.71 ; v1(404.89,160.34) v1(404.89,159.07) 404.25,158.43 340.12,158.43 ; 274.71,72.71 275.35,73.34 ; C25.1 188.99,141.29
  Bottom w1.5: 404.89,107 371.87,107 ; 344.46,141.92 339.43,136.89 ; v1(59.45,108.27) v1(59.45,107) 62.62,107 ; v1(59.45,124.14) v1(59.45,125.41) ; 189.62,141.29 C15.2 ; 194.07,53.66 211.39,53.66 ; 255.67,160.34 256.3,159.7 274.08,159.7 UJ8.12 ; 206.77,159.07 v1(201.06,159.07) ; 62.62,107 121.04,107 ; 62.62,107 63.05,107.42 ; 133.11,89.85 134.38,88.58 ; 248.05,107 363.62,107 ; 404.89,124.14 345.83,124.14 UL6.8 ; 121.68,159.07 108.98,159.07 ; v1(404.25,70.8) v1(404.25,72.07) ; 368.06,143.19 364.88,141.92 ; 337.58,55.56 335.68,53.66 ; 122.95,88.58 124.85,90.49 132.47,90.49 ; 153.43,126.68 UD6.8 ; 72.78,9.21 72.15,9.84 v1(72.15,11.11) v1(72.15,11.75) 72.78,4.76 72.78,9.21
  Bottom w1.75: 375.05,35.24 394.73,35.24 396,36.51 v1(404.25,36.51) 404.89,36.51 v1(404.25,35.88) v1(404.25,35.24) ; 375.05,35.24 367.43,35.24 ; 375.05,35.24 UM1.8 ; 68.68,35.54 95.01,35.54 ; 95.01,35.54 C44.1 ; 95.01,35.54 98.82,35.54 ; 274.71,35.24 286.14,35.24 ; 274.71,35.24 255.67,35.24 ; 274.71,35.24 C45.1 ; 286.14,35.24 UJ1.7 ; 286.14,35.24 306.46,35.24 ; 306.46,35.24 316.62,35.24 ; 306.46,35.24 v1(306.46,38.42) ; 316.62,35.24 339.49,35.24 ; 316.62,35.24 UK1.7 ; 347.11,35.24 367.43,35.24 ; 347.11,35.24 UL1.7 ; 347.11,35.24 339.49,35.24 ; 367.43,35.24 v1(367.43,38.42) ; 255.67,35.24 UH1.7 ; 255.67,35.24 228.36,35.24 ; 59.45,72.07 v1(58.81,72.07) v1(58.81,70.8) 106.44,70.8 ; 98.82,35.54 103.26,35.54 ; 98.82,35.54 UB1.8 ; 345.2,53.66 377.58,53.66 ; 59.45,35.88 68.34,35.88 UA1.8 ; 377.58,53.66 UM2.7 ; 377.58,53.66 v1(404.89,53.66) ; 332.96,53.2 332.5,53.66 332.04,53.2 ; 393.46,179.39 382.03,179.39 ; 382.03,179.39 v1(300.75,179.39) 273.44,179.39 270.27,176.21 184.54,176.21 184.54,176.85 C19.1 180.74,176.85 v1(164.86,176.85) 164.22,176.85 ; 382.03,179.39 380.76,179.39 ; 339.49,35.24 C46.1 ; 162.32,52.39 161.05,53.66 135.01,53.66
  Bottom w2: 168.67,33.97 168.03,34.61 ; 168.67,33.97 191.53,33.97 ; 168.67,33.97 152.79,33.97 ; v1(404.89,88.58) 369.96,88.58 368.69,89.85 C36.1 ; 72.15,159.07 108.98,159.07 ; 122.95,88.58 v1(114.69,88.58) 91.2,88.58 ; 154.7,141.92 v1(88.66,141.92) 63.26,141.92 ; v1(59.45,124.14) 150.89,124.14 153.43,126.68 ; 246.14,160.97 254.88,160.97 ; 182,88.58 190.9,88.58 193.41,91.09 193.44,91.09 ; 271.54,70.17 226.45,70.17 ; 63.89,177.39 63.26,178.02 ; 63.89,177.39 79.7,177.39 79.77,177.46 131.21,177.46 ; 63.89,177.39 59.55,177.39 59.45,177.48 v1(59.45,178.75) ; 195.34,33.97 191.53,33.97 ; 191.53,33.97 UE1.8 ; 368.06,143.19 375.68,143.19 377.58,141.29 v1(404.89,141.29) ; 83.58,88.58 v1(59.45,88.58) 59.45,89.85 ; 154.7,159.07 159.78,164.15 161.69,164.15 UD8.7 163.59,160.34 164.86,159.07 v1(182.64,159.07) v1(186.45,159.07) v1(201.06,159.07) ; 131.21,177.46 129.3,177.48 ; 131.21,177.46 161.05,177.09 ; v1(404.25,70.8) 351.55,70.8 ; v1(404.89,53.66) v1(404.89,54.29) v1(404.89,53.02) 404.89,53.1 ; 364.88,141.92 363.62,141.92 v1(362.98,141.29) 362.35,141.92 344.46,141.92 ; 391.56,8.57 394.73,8.57 ; 247.41,107.63 v1(243.6,107.63) 238.52,107.63 237.25,106.36 v1(202.32,106.36) 121.68,106.36 ; 344.56,55.56 337.58,55.56 ; C16.2 339.49,136.84 ; 244.87,160.97 244.24,160.34 ; 391.56,10.48 v1(392.19,10.48) v1(392.82,10.48) v1(393.46,10.48) v1(394.1,10.48) 394.73,10.48 ; 211.94,53.11 300.67,53.11 ; 396,176.85 v1(394.1,178.75) ; 166.13,141.92 182.64,141.92 ; UL2.8 345.2,53.66 ; 126.12,159.07 122.31,159.07 ; 335.21,53.2 332.96,53.2 ; 68.34,35.88 68.68,35.54 ; 300.75,53.2 332.04,53.2 ; 211.21,159.07 206.77,159.07 ; 394.73,5.08 394.73,12.06 391.56,12.06 391.56,5.08 ; v1(404.89,178.12) v1(404.89,176.85) ; v1(59.45,159.7) v1(59.45,160.97)
  Bottom w2.25: 161.05,177.09 164.22,176.85
  Bottom w2.5: 63.26,141.92 v1(59.45,141.92) ; v1(404.89,176.85) 396.63,176.85
  Bottom w2.75: 126.12,159.07 154.7,159.07
  Bottom w3: 71.52,159.7 v1(59.45,159.7)
  vias: v1(72.15,12.38)
